# Altium PCB DBBC7205S.PcbDoc (part 1 of 2)
Units mm, origin at the board's own origin, x right, y up, seen from the top; angles counter-clockwise.
Board outline 86.61 x 84.33 mm, 2 copper layers (Top Layer, Bottom Layer); 126 components, 73 nets, 452 pads, 773 vias.
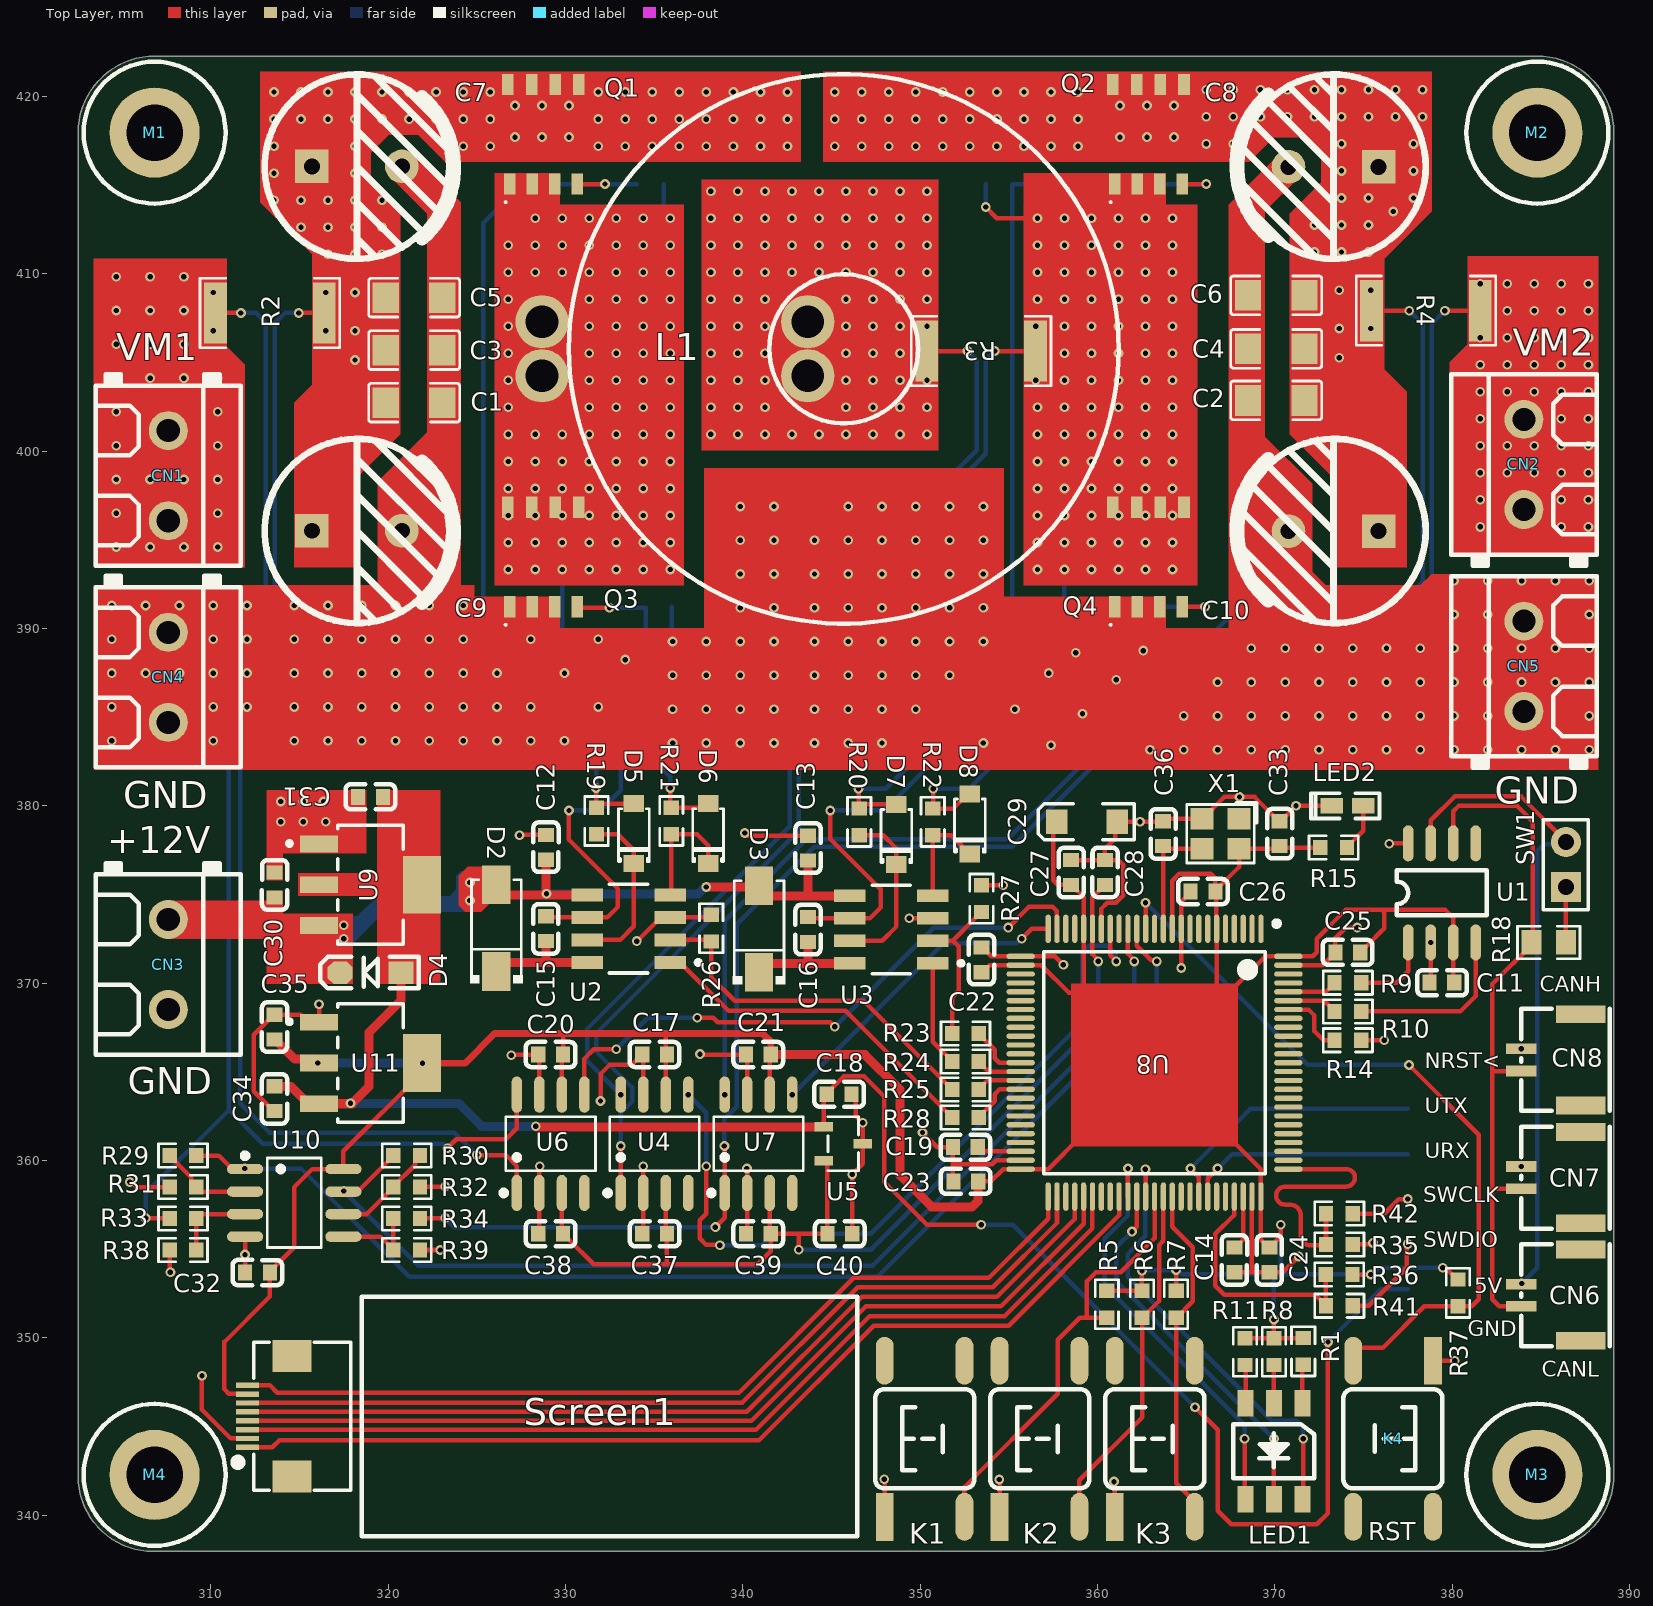
[diagram p0: Top Layer view]
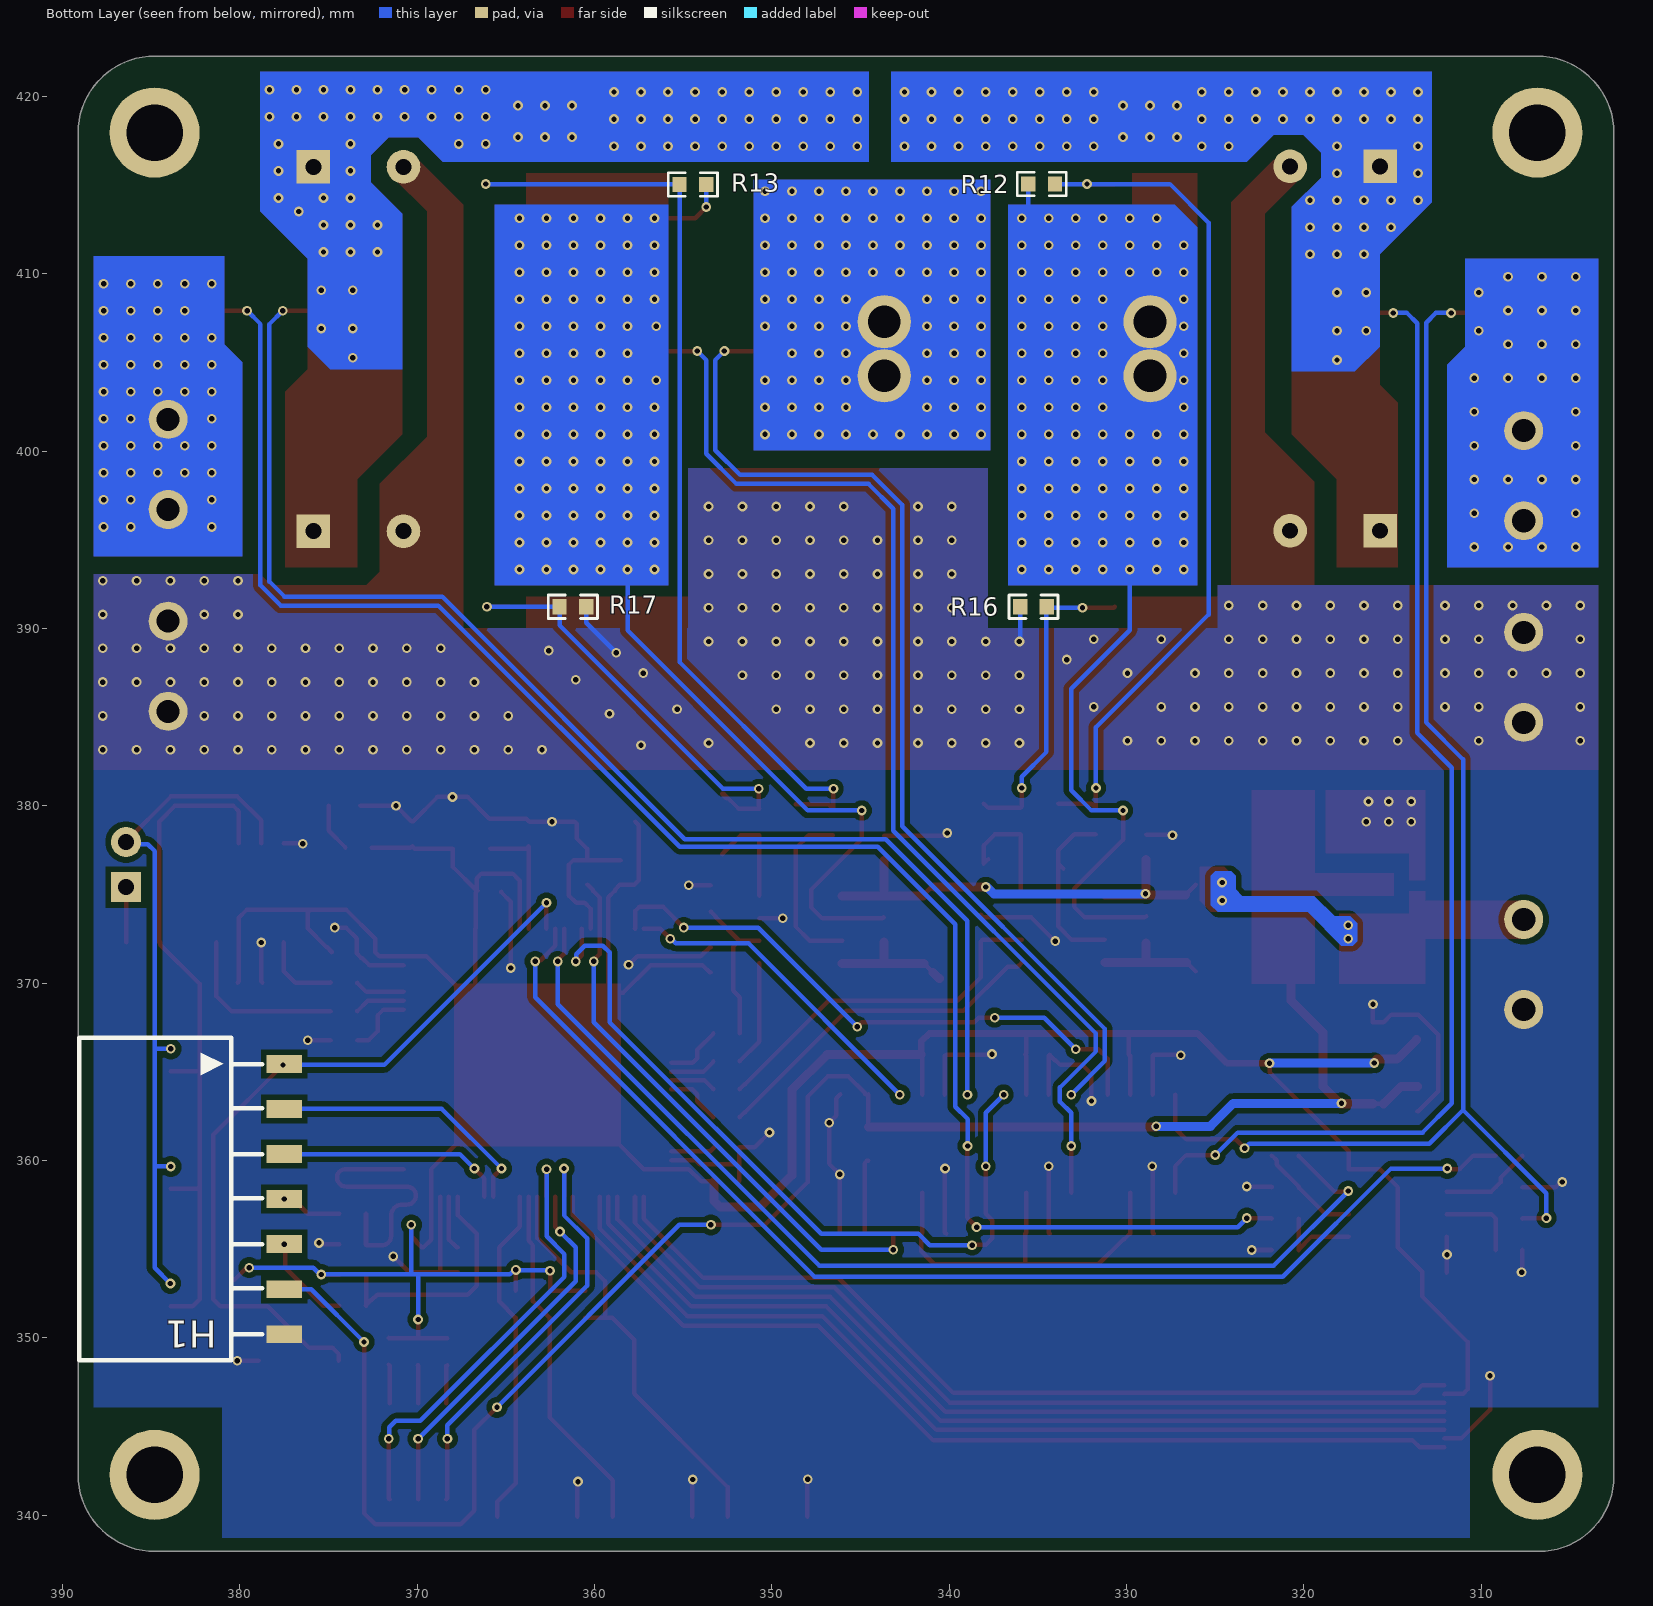
[diagram p1: Bottom Layer view, seen from below]

## Layer stack, top to bottom
Top Solder: solder mask 0.0102, Solder Resist, Dk 3.5
Top Layer: signal copper 0.0356
Dielectric 1: dielectric 0.32, FR-4, Dk 4.8
Bottom Layer: signal copper 0.0356
Bottom Solder: solder mask 0.0102, Solder Resist, Dk 3.5

## Board outline
306.753,337.947 cw(c306.753,342.186) 302.514,342.186 302.514,417.939 cw(c306.85,417.939) 306.85,422.275 384.792,422.275 cw(c384.792,417.939) 389.128,417.939 389.128,342.283 cw(c384.792,342.283) 384.792,337.947

## Design rules (kind name [scope] priority, off if disabled: settings)
Clearance Clearance_5 [InNamedPolygon('C1N_L02_P000')] p1: gap=0.305 ignorepadtopadclearanceinfootprint=FALSE
Clearance Clearance_1 [(ExistsOnLayer('Layer 1') Or ExistsOnLayer('Layer 2')) vs (ExistsOnLayer('Layer 1') Or ExistsOnLayer('Layer 2'))] p2: gap=0.178 ignorepadtopadclearanceinfootprint=FALSE except(0: Arc-Hole Track-Hole SMDPad-Hole THPad-Hole Via-Hole Fill-Hole Poly-Hole Region-Hole Text-Hole; 0.254: Hole-Hole)
Clearance Clearance_2 [(ExistsOnLayer('Top Layer') Or ExistsOnLayer('Bottom Layer')) vs (ExistsOnLayer('Top Layer') Or ExistsOnLayer('Bottom Layer'))] p3: gap=0.178 ignorepadtopadclearanceinfootprint=FALSE except(0: Arc-Hole Track-Hole SMDPad-Hole THPad-Hole Via-Hole Fill-Hole Poly-Hole Region-Hole Text-Hole; 0.254: Hole-Hole)
Clearance Clearance_3 [OnMid vs OnMid] p4: gap=0.254 ignorepadtopadclearanceinfootprint=FALSE except(0: Arc-Hole Track-Hole SMDPad-Hole THPad-Hole Via-Hole Fill-Hole Poly-Hole Region-Hole Text-Hole)
Clearance Clearance_4 [(ExistsOnLayer('Top Layer') Or ExistsOnLayer('Bottom Layer')) vs (ExistsOnLayer('Top Layer') Or ExistsOnLayer('Bottom Layer'))] p5: gap=0.254 ignorepadtopadclearanceinfootprint=FALSE except(0: Arc-Hole Track-Hole SMDPad-Hole THPad-Hole Via-Hole Fill-Hole Poly-Hole Region-Hole Text-Hole)
Clearance [All] p6: gap=0.254 ignorepadtopadclearanceinfootprint=FALSE except(0: Arc-Hole Track-Hole SMDPad-Hole THPad-Hole Via-Hole Fill-Hole Poly-Hole Region-Hole Text-Hole)
PolygonConnect PolygonConnect_1 [All vs IsNamedPolygon('C1N_L02_P000')] p1: connectstyle=Direct reliefconductorwidth=0.254 reliefentries=4 polygonreliefangle="90 Angle" airgapwidth=0.254
PolygonConnect [All] p2: connectstyle=Direct reliefconductorwidth=0.254 reliefentries=4 polygonreliefangle="90 Angle" airgapwidth=0.254
RoutingVias RoutingViaStyle_1 [All] p1: holewidth=0.3 width=0.55 viastyle="Through Hole" minholewidth=0.3 minwidth=0.55 maxholewidth=0.3 maxwidth=0.55
RoutingVias [All] p2: holewidth=0.711 width=1.27 viastyle="Through Hole" minholewidth=0.711 minwidth=1.27 maxholewidth=0.711 maxwidth=1.27
SolderMaskExpansion [All] p1: expansion=0.102 istentingtop=FALSE
Width MaxMinWidth_1 [All] p1: maxlimit=1.27 minlimit=0.254 preferedwidth=0.254 minimp=50.000000 maximp=50.000000 favimp=50.000000
Width [All] p2: maxlimit=0.254 minlimit=0.254 preferedwidth=0.254
30 further rules are at their usual default settings.

## Components (designator, comment, footprint, x,y, rotation, side; value= is the part's Value field where it differs from the comment)
C1 "22uF100V" C1206 321.468,402.727 r0 top
C2 "22uF100V" C1206 370.084,402.854 r180 top
C3 "22uF100V" C1206 321.468,405.689 r0 top
C4 "22uF100V" C1206 370.084,405.765 r180 top
C5 "22uF100V" C1206 321.468,408.652 r180 top
C6 "22uF100V" C1206 370.084,408.779 r0 top
C7 "100uF100V" "CAP 5.0*10*16" 318.235,416.052 r0 top
C8 "100uF100V" "CAP 5.0*10*16" 373.316,416.027 r180 top
C9 "100uF100V" "CAP 5.0*10*16" 318.235,395.505 r0 top
C10 "100uF100V" "CAP 5.0*10*16" 373.316,395.479 r180 top
C11 "100nF" C0603 379.427,370.019 r180 top
C12 "1uF" C0603 328.896,377.654 r270 top
C13 "1uF" C0603 343.676,377.606 r270 top
C14 "2.2uF" C0603 367.727,354.392 r90 top
C15 "100nF" C0603 328.896,373.064 r90 top
C16 "100nF" C0603 343.682,373.016 r90 top
C17 "100nF" C0603 335.026,365.968 r0 top
C18 "470nF" C0603 345.44,363.728 r0 top
C19 "2.2uF" C0603 352.551,360.74 r180 top
C20 "100nF" C0603 329.167,365.968 r0 top
C21 "100nF" C0603 340.881,365.968 r0 top
C22 "100nF" C0603 353.461,371.307 r270 top
C23 "100nF" C0603 352.576,358.813 r0 top
C24 "100nF" C0603 369.697,354.392 r90 top
C25 "100nF" C0603 374.119,371.729 r0 top
C26 "100nF" C0603 365.952,375.158 r0 top
C27 "100nF" C0603 358.521,376.236 r90 top
C28 "100nF" C0603 360.426,376.236 r270 top
C29 "10uF" "CD A(3216)" 359.41,379.095 r0 top
C30 "1uF" C0603 313.597,375.524 r270 top
C31 "1uF" C0603 319.008,380.497 r0 top
C32 "470nF" C0603 312.633,353.669 r0 top
C33 "100nF" C0603 370.28,378.421 r270 top
C34 "1uF" C0603 313.597,363.475 r90 top
C35 "1uF" C0603 313.592,367.509 r270 top
C36 "15pF" C0603 363.709,378.421 r90 top
C37 "100nF" C0603 335.026,355.86 r180 top
C38 "100nF" C0603 329.167,355.86 r0 top
C39 "100nF" C0603 340.881,355.86 r0 top
C40 "100nF" C0603 345.476,355.86 r0 top
CN1 "1729128" CONN-TH_2P-P5.08 307.602,398.611 r270 top
CN2 "1729128" CONN-TH_2P-P5.08 384.048,399.246 r90 top
CN3 "1729128" CONN-TH_2P-P5.08 307.602,371.044 r270 top
CN4 "1729128" CONN-TH_2P-P5.08 307.602,387.239 r270 top
CN5 "1729128" CONN-TH_2P-P5.08 384.048,387.864 r90 top
CN6 "A1257WR-S-2P" CONN-SMD_A1257WR-S-2P 385.572,352.398 r90 top
CN7 "A1257WR-S-2P" CONN-SMD_A1257WR-S-2P 385.572,359.03 r90 top
CN8 "A1257WR-S-2P" CONN-SMD_A1257WR-S-2P 385.572,365.662 r90 top
D2 "MURA120T3G" SMA 326.102,373.094 r270 top
D3 "MURA120T3G" SMA 340.921,373.046 r270 top
D4 "1N5819W(SOD-123)" SOD-123 319.008,370.583 r180 top
D5 "DSF1D" SOD-123_L2.8-W1.8-LS3.7-RD 333.858,378.43 r90 top
D6 "DSF1D" SOD-123_L2.8-W1.8-LS3.7-RD 338.046,378.43 r90 top
D7 "DSF1D" SOD-123_L2.8-W1.8-LS3.7-RD 348.666,378.382 r90 top
D8 "DSF1D" SOD-123_L2.8-W1.8-LS3.7-RD 352.806,378.968 r90 top
H1 "7P卧贴排母" HDR-SMD_7P-P2.54-H-F-L11.5 377.498,357.817 r270 bottom
K1 "TSW SMD-6*6*5" "TSW SMD-6*6*5" 350.263,344.297 r90 top
K2 "TSW SMD-6*6*5" "TSW SMD-6*6*5" 356.743,344.297 r90 top
K3 "TSW SMD-6*6*5" "TSW SMD-6*6*5" 363.241,344.297 r90 top
K4 "TSW SMD-6*6*5" "TSW SMD-6*6*5" 376.664,344.297 r270 top
L1 "47uH 30A" 106-125卧式 331.724,407.289 r270 top
LED1 "LED 5050" "LED 5050" 369.954,343.588 r270 top
LED2 "LED 0603G" "LED 0603G" 374.104,379.998 r180 top
M1 "M3x5_L" M3x5_L 306.832,417.957 r0 top
M2 "M3x5_L" M3x5_L 384.81,417.957 r0 top
M3 "M3x5_L" M3x5_L 384.81,342.265 r0 top
M4 "M3x5_L" M3x5_L 306.832,342.265 r0 top
Q1 "BSC070N10NS3 G" INF-PG-TDSON-8-1_V 328.754,417.88 r0 top
Q2 "BSC070N10NS3 G" INF-PG-TDSON-8-1_V 362.876,417.88 r0 top
Q3 "BSC070N10NS3 G" INF-PG-TDSON-8-1_V 328.754,394.044 r0 top
Q4 "BSC070N10NS3 G" INF-PG-TDSON-8-1_V 362.876,394.044 r0 top
R1 "330 ohm" R0603 371.609,349.229 r90 top
R2 "0.003 ohm" R2512 313.328,407.788 r0 top
R3 "0.003 ohm" R2512 353.441,405.638 r0 top
R4 "0.003 ohm" R2512 378.524,407.915 r0 top
R5 "10k" R0603 360.532,351.886 r90 top
R6 "10k" R0603 362.51,351.886 r90 top
R7 "10k" R0603 364.436,351.886 r90 top
R8 "510 ohm" R0603 369.961,349.208 r90 top
R9 "10 / 22 ohm" R0603 374.126,370.019 r180 top
R10 "10 / 22 ohm" R0603 374.126,368.397 r180 top
R11 "330 ohm" R0603 368.317,349.209 r90 top
R12 "10k" R0603 334.784,415.055 r180 bottom
R13 "10k" R0603 354.457,415.036 r180 bottom
R14 "10k" R0603 374.126,366.776 r180 top
R15 "3.3k" R0603 373.316,377.641 r0 top
R16 "10k" R0603 335.248,391.219 r180 bottom
R17 "10k" R0603 361.22,391.217 r0 bottom
R18 "120 ohm" R0805 385.454,372.29 r0 top
R19 "3.3 ohm" R0603 331.749,379.136 r90 top
R20 "3.3 ohm" R0603 346.57,379.088 r90 top
R21 "3.3 ohm" R0603 335.973,379.136 r90 top
R22 "3.3 ohm" R0603 350.712,379.088 r90 top
R23 "10 ohm" R0603 352.559,367.157 r180 top
R24 "10 ohm" R0603 352.559,365.578 r180 top
R25 "10 ohm" R0603 352.559,363.999 r180 top
R26 "10k" R0603 338.224,373.092 r270 top
R27 "10k" R0603 353.461,374.764 r270 top
R28 "10 ohm" R0603 352.559,362.42 r180 top
R29 "3.3k" R0603 308.43,360.273 r0 top
R30 "3.3k" R0603 321.047,360.273 r180 top
R31 "75k" R0603 308.43,358.497 r0 top
R32 "75k" R0603 321.047,358.497 r0 top
R33 "75k" R0603 308.43,356.721 r0 top
R34 "75k" R0603 321.047,356.721 r0 top
R35 "10k" R0603 373.643,355.258 r0 top
R36 "10k" R0603 373.633,353.561 r0 top
R37 "10k" R0603 380.335,352.523 r90 top
R38 "3.3k" R0603 308.43,354.945 r0 top
R39 "3.3k" R0603 321.047,354.945 r180 top
R41 "10 / 22 ohm" R0603 373.643,351.798 r180 top
R42 "10 / 22 ohm" R0603 373.643,356.997 r180 top
Screen1 "FPC1.0-8P" "FPC0.5 2H-S-W-8P" 314.579,345.567 r90 top
SW1 "Header-Male-2.54_1x2" HDR2.54-LI-2P 386.42,376.679 r90 top
U1 "SN65HVD230DR" SOP-8 377.498,372.315 r90 top
U2 "IR2184SPBF" FP-PG-DSO-8-MFG 333.558,373.064 r180 top
U3 "IR2184SPBF" FP-PG-DSO-8-MFG 348.379,373.016 r180 top
U4 "CSA240LCSOIC8" SOIC-8_L4.9-W3.9-P1.27-LS6.0-BL 335.026,360.934 r0 top
U5 "REF3033AIDBZR" SOT-23-3_L3.0-W1.7-P0.95-LS2.9-BR 345.664,360.934 r180 top
U6 "CSA240LCSOIC8" SOIC-8_L4.9-W3.9-P1.27-LS6.0-BL 329.167,360.934 r0 top
U7 "CSA240LCSOIC8" SOIC-8_L4.9-W3.9-P1.27-LS6.0-BL 340.881,360.934 r0 top
U8 "STM32H743VIT6" LQFP-100_L14.0-W14.0-P0.50-LS16.0-BL 363.22,365.506 r180 top
U9 "TLV1117-50IDCY" FP-DCY0004A-MFG 319.008,375.544 r0 top
U10 "GS8552-SR" SOIC-8_L4.9-W3.9-P1.27-LS6.0-BL 314.706,357.606 r270 top
U11 "TLV1117-33IDCYR" FP-DCY0004A-MFG 319.003,365.492 r0 top
X1 "25Mhz" "OSC 3225-4P" 366.937,378.421 r180 top

## Footprints (in the part's own frame and the unit in brackets; to place one, negate y for a bottom-side part, rotate by r counter-clockwise, add the part's x,y. Pads: shape width x height; smd on the part's side, far side on the other; paste and mask are expansions set on the pad)
106-125卧式 [mm]
  round 3 hole 1.85: 1(0,-3.048) 1(3.048,-3.048) 2(0,11.938) 2(3.048,11.938)
  silkscreen extent -13.97,-1.53 17.02,29.47
C0603 [mm]
  rect 0.8x0.9 smd: 1(-0.7,0) 2(0.7,0)
  silkscreen extent -1.41,-0.71 1.39,0.72, body extent -0.8,-0.4 0.8,0.4, height 0.81
C1206 [mm]
  rect 1.485x1.728 smd: 1(-1.593,0) 2(1.593,0)
  silkscreen extent -2.56,-1.09 2.56,1.09, body extent -1.7,-0.91 1.7,0.91, height 0.89
"CAP 5.0*10*16" [mm] "脚距5mm直径10mm高度16mm"
  rect 1.9x1.9 hole 0.9: 1(-2.54,0)
  round 1.9 hole 0.9: 2(2.54,0)
  silkscreen extent -5.19,-5.21 5.5,5.19, body extent -5,-5 5.01,5, height 16.04
"CD A(3216)" [mm] "长3.2mm，宽1.6mm，厚1.6mm"
  rect 1.2x1.4 smd: 1(-1.7,0) 2(1.7,0)
  silkscreen extent -2.74,-1.02 2.67,1.02, body extent -1.6,-0.8 1.6,0.8, height 1.6
CONN-SMD_A1257WR-S-2P [mm]
  rect 0.6x1.7 smd: 1(0.625,1.675) 2(-0.625,1.675)
  rect 1x2.8 smd: 3(2.575,-1.675) 4(-2.575,-1.675)
  silkscreen extent -2.87,-3.33 2.87,1.68, body extent -2.87,-2.86 2.87,2, height 4.25
CONN-TH_2P-P5.08 [mm]
  round 2.2 hole 1.3 mask+0.051: 1(-2.54,0) 2(2.54,0)
  silkscreen extent -5.72,-4.1 5.08,4.1
FP-DCY0004A-MFG [mm]
  rect 2.15x0.95 smd paste+0 mask+0: 1(-2.9,2.3) 2(-2.9,0) 3(-2.9,-2.3)
  rect 2.15x3.25 smd paste+0 mask+0: 4(2.9,0)
  silkscreen extent -4.7,-3.35 1.85,3.35, body extent -4.08,-3.45 4.08,3.45, height 0.25
FP-PG-DSO-8-MFG [mm]
  rect 1.78x0.72 smd paste+0 mask+0: 1(-2.34,1.905) 2(-2.34,0.635) 3(-2.34,-0.635) 4(-2.34,-1.905) 5(2.34,-1.905) 6(2.34,-0.635) 7(2.34,0.635) 8(2.34,1.905)
  silkscreen extent -4.05,-2.5 1.07,2.5, body extent -3.33,-2.68 3.33,2.68, height 0.25
"FPC0.5 2H-S-W-8P" [mm] "长：8.2mm，宽：5.2mm，高：2mm"
  rect 1.8x2.2 smd: 0(-3.4,0) 0(3.4,0)
  rect 0.3x1.3 smd: 1(-1.75,2.497) 2(-1.25,2.497) 3(-0.75,2.497) 4(-0.25,2.497) 5(0.25,2.497) 6(0.75,2.497) 7(1.25,2.497) 8(1.75,2.497)
  silkscreen extent -4.17,-3.3 4.17,3.23, body extent -4.1,-3.15 4.1,2.85, height 2
HDR2.54-LI-2P [mm] "排针，2脚"
  rect 1.7x1.7 hole 0.9: 1(-1.27,0)
  round 1.7 hole 0.9: 2(1.27,0)
  silkscreen extent -2.54,-1.27 2.54,1.27, body extent -2.54,-1.27 2.54,1.27, height 8.5
HDR-SMD_7P-P2.54-H-F-L11.5 [mm]
  rect 1x2 smd paste+0 mask+0.05: 1(-7.62,0) 2(-5.08,0) 3(-2.54,0) 4(0,0) 5(2.54,0) 6(5.08,0) 7(7.62,0)
  silkscreen extent -9.09,-11.56 9.09,-1.23
INF-PG-TDSON-8-1_V [mm] "TDSON, 8-Leads, Body 6.15x5.15mm, Pitch 1.27mm"
  rect 0.65x1.2 smd: 1(-1.905,-2.825) 2(-0.635,-2.825) 3(0.635,-2.825) 4(1.905,-2.825) 5(2.007,2.794) 6(0.66,2.794) 7(-0.66,2.794) 8(-2.007,2.794)
  Top Layer region: -2.35,2.925 -2.35,-1.575 2.35,-1.575 2.35,2.925
  Top Layer region: -2.35,2.925 -1.65,2.925 -1.65,3.425 -2.35,3.425
  Top Layer region: 1.65,2.925 2.35,2.925 2.35,3.425 1.65,3.425
  Top Layer region: -1.015,2.925 -0.315,2.925 -0.315,3.425 -1.015,3.425
  Top Layer region: 0.315,2.925 1.015,2.925 1.015,3.425 0.315,3.425
  silkscreen extent -2.23,-3.94 -2.03,-3.74, body extent -2.58,-3.08 2.58,3.08, height 1
"LED 0603G" [mil] "绿色0603LED"
  rect 50x35 smd: 1(-35,0.26) 2(35,0.26)
  silkscreen extent -71,-28 81,28, body extent -31,-16 32,16, height 18
"LED 5050" [mm] "白色5050LED"
  rect 1.5x0.9 smd: 1(2.705,1.6) 2(-2.705,1.6) 3(2.705,0) 4(-2.705,0) 5(2.705,-1.6) 6(-2.705,-1.6)
  silkscreen extent -1.52,-2.29 1.52,2.29, body extent -2.7,-2.5 2.7,2.5, height 1.65
LQFP-100_L14.0-W14.0-P0.50-LS16.0-BL [mm]
  oval 0.3x1.6 smd paste-100 mask+0.051: 1(-6,-7.55) 2(-5.5,-7.55) 3(-5,-7.55) 4(-4.5,-7.55) 5(-4,-7.55) 6(-3.5,-7.55) 7(-3,-7.55) 8(-2.5,-7.55) 9(-2,-7.55) 10(-1.5,-7.55) 11(-1,-7.55) 12(-0.5,-7.55) 13(0,-7.55) 14(0.5,-7.55) 15(1,-7.55) 16(1.5,-7.55) 17(2,-7.55) 18(2.5,-7.55) 19(3,-7.55) 20(3.5,-7.55) 21(4,-7.55) 22(4.5,-7.55) 23(5,-7.55) 24(5.5,-7.55) 25(6,-7.55) 51(6,7.55) 52(5.5,7.55) 53(5,7.55) 54(4.5,7.55) 55(4,7.55) 56(3.5,7.55) 57(3,7.55) 58(2.5,7.55) 59(2,7.55) 60(1.5,7.55) 61(1,7.55) 62(0.5,7.55) 63(0,7.55) 64(-0.5,7.55) 65(-1,7.55) 66(-1.5,7.55) 67(-2,7.55) 68(-2.5,7.55) 69(-3,7.55) 70(-3.5,7.55) 71(-4,7.55) 72(-4.5,7.55) 73(-5,7.55) 74(-5.5,7.55) 75(-6,7.55)
  oval 1.6x0.3 smd paste-100 mask+0.051: 26(7.55,-6) 27(7.55,-5.5) 28(7.55,-5) 29(7.55,-4.5) 30(7.55,-4) 31(7.55,-3.5) 32(7.55,-3) 33(7.55,-2.5) 34(7.55,-2) 35(7.55,-1.5) 36(7.55,-1) 37(7.55,-0.5) 38(7.55,0) 39(7.55,0.5) 40(7.55,1) 41(7.55,1.5) 42(7.55,2) 43(7.55,2.5) 44(7.55,3) 45(7.55,3.5) 46(7.55,4) 47(7.55,4.5) 48(7.55,5) 49(7.55,5.5) 50(7.55,6) 76(-7.55,6) 77(-7.55,5.5) 78(-7.55,5) 79(-7.55,4.5) 80(-7.55,4) 81(-7.55,3.5) 82(-7.55,3) 83(-7.55,2.5) 84(-7.55,2) 85(-7.55,1.5) 86(-7.55,1) 87(-7.55,0.5) 88(-7.55,0) 89(-7.55,-0.5) 90(-7.55,-1) 91(-7.55,-1.5) 92(-7.55,-2) 93(-7.55,-2.5) 94(-7.55,-3) 95(-7.55,-3.5) 96(-7.55,-4) 97(-7.55,-4.5) 98(-7.55,-5) 99(-7.55,-5.5) 100(-7.55,-6)
  silkscreen extent -7.03,-8 6.25,6.25
M3x5_L [mm] "M3铜柱，长：5mm"
  round 5.08 hole 3.175: 1(0,0)
  silkscreen extent -4,-4 4,4, body extent -2.7,-2.35 2.7,2.35, height 5.05
"OSC 3225-4P" [mm] "3.2*2.5*0.7mm(长宽高)"
  rect 1.3x1.2 smd: 1(-1.05,-0.85) 2(1.05,-0.85) 3(1.05,0.85) 4(-1.05,0.85)
  silkscreen extent -2.03,-1.75 1.91,1.65, body extent -1.6,-1.25 1.6,1.25, height 0.7
R0603 [mm]
  rect 0.806x0.864 smd: 1(-0.753,0) 2(0.753,0)
  silkscreen extent -1.39,-0.66 1.39,0.66, body extent -0.8,-0.4 0.8,0.4, height 0.22
R0805 [mm]
  rect 1.133x1.377 smd: 1(-0.966,0) 2(0.966,0)
  silkscreen extent -1.76,-0.92 1.76,0.92, body extent -1,-0.65 1,0.65, height 0.61
R2512 [mm]
  rect 1.283x3.456 smd: 1(-3.066,0) 2(3.066,0)
  silkscreen extent -3.94,-1.96 3.94,1.96, body extent -3.15,-1.6 3.15,1.6, height 0.61